# Altium PCB Matrix.PcbDoc (part 3 of 3)
Units mm, origin at the board's own origin, x right, y up, seen from the top; angles counter-clockwise.
Board outline 200.1 x 201 mm, 2 copper layers (Top Layer, Bottom Layer), stack 1.55 mm thick; 304 components, 213 nets, 909 pads, 444 vias.
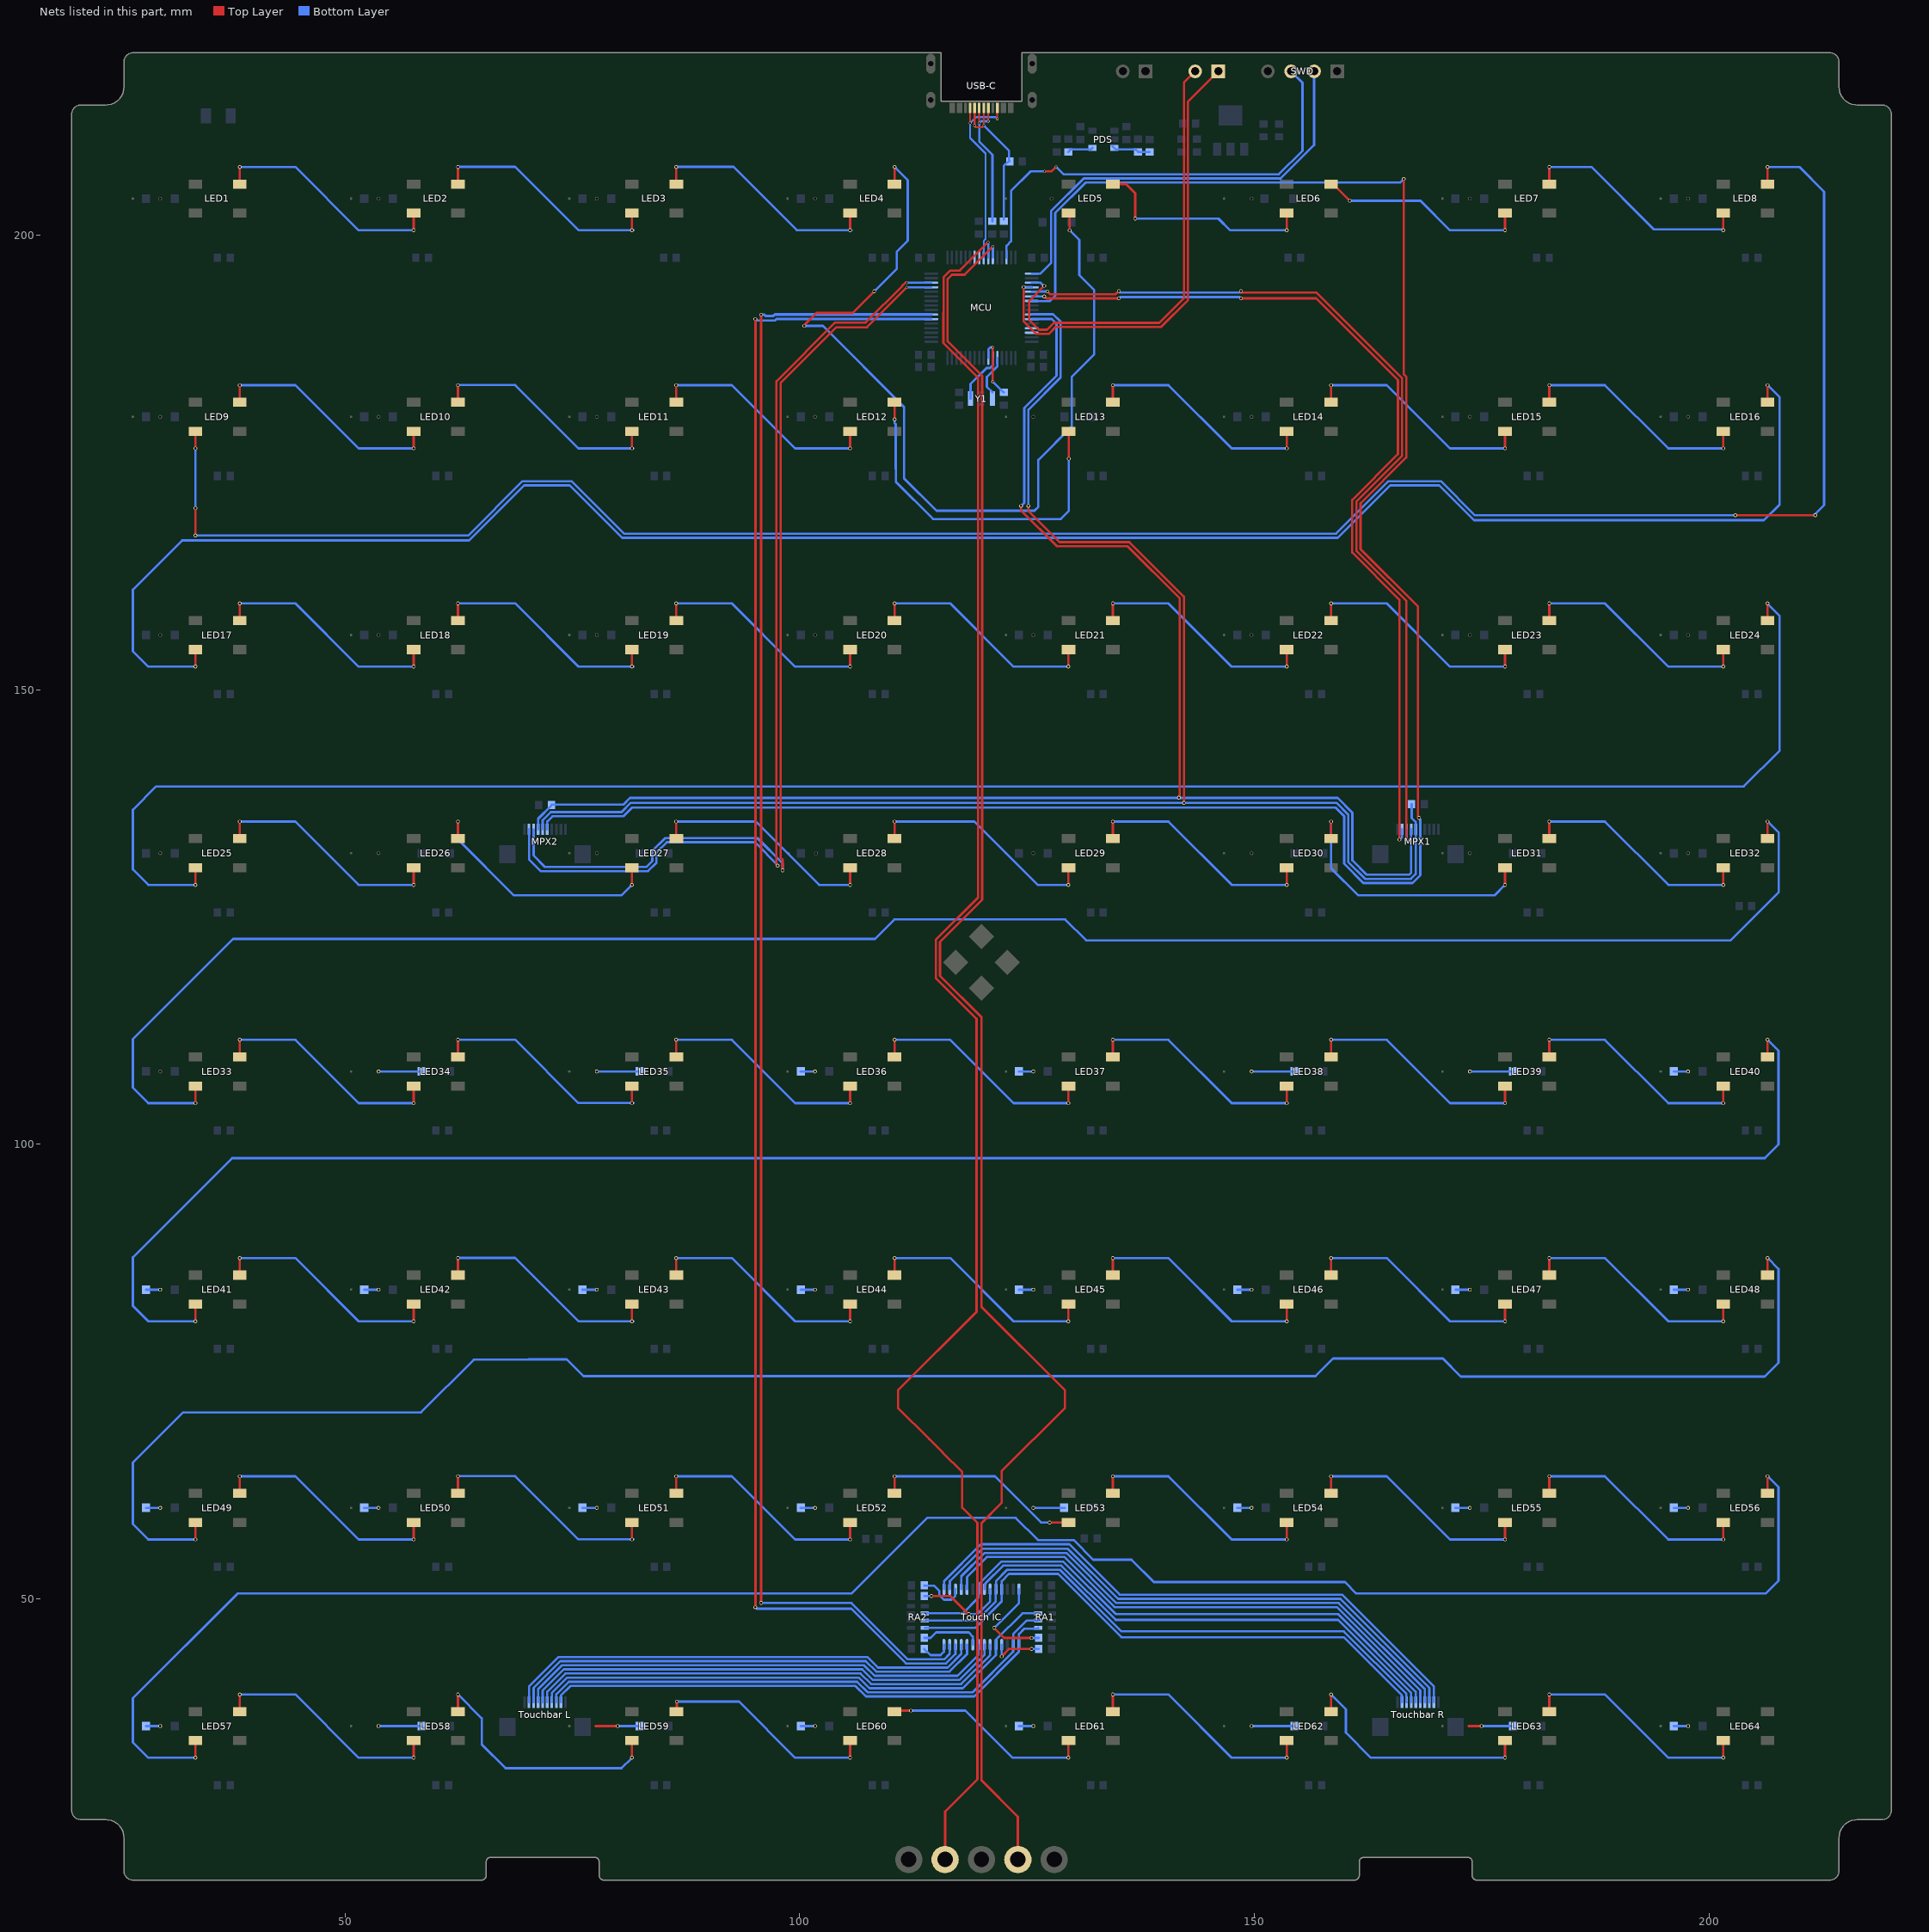
[diagram p3: the nets of this part, all layers, seen from the top]

## Via types
v1: diameter 0.406, hole 0.254, Top Layer to Bottom Layer, tented both sides, 188 vias
v2: diameter 0.61, hole 0.406, Top Layer to Bottom Layer, tented both sides, 150 vias
v3: diameter 0.711, hole 0.508, Top Layer to Bottom Layer, tented both sides, 65 vias
v4: diameter 0.305, hole 0.203, Top Layer to Bottom Layer, tented both sides, 28 vias
v5: diameter 0.7, hole 0.5, Top Layer to Bottom Layer, tented both sides, 8 vias
v6: diameter 8, hole 5.3, Top Layer to Bottom Layer, 4 vias
v7: diameter 1.1, hole 0.7, Top Layer to Bottom Layer, tented both sides, 1 vias

## Nets (pads, with @x,y where several pads share a name; then routed paths per layer and width w, separated by ;. In a path a pad name is that pad's centre, name@x,y a point inside that pad or via, vN(x,y) a via of type N, cw(c..) or ccw(c..) an arc to the next point about the centre after c; other vN are vias at no path point) (continued)
NetD34_1: D34.1 SW34.2 | length 4.7
  Bottom Layer w0.254: SW34.2@53.7,108 D34.1@58.426,108
NetD35_1: D35.1 SW35.2 | length 4.7
  Bottom Layer w0.254: SW35.2@77.7,108 D35.1@82.426,108
NetD36_1: D36.1 SW36.2 | length 1.6
  Bottom Layer w0.254: D36.1@100.125,108 SW36.2@101.7,108
NetD37_1: D37.1 SW37.2 | length 1.6
  Bottom Layer w0.254: D37.1@124.125,108 SW37.2@125.7,108
NetD38_1: D38.1 SW38.2 | length 4.7
  Bottom Layer w0.254: SW38.2@149.7,108 D38.1@154.425,108
NetD39_1: D39.1 SW39.2 | length 4.7
  Bottom Layer w0.254: SW39.2@173.7,108 D39.1@178.425,108
NetD40_1: D40.1 SW40.2 | length 1.6
  Bottom Layer w0.254: D40.1@196.126,108 SW40.2@197.7,108
NetD41_1: D41.1 SW41.2 | length 1.6
  Bottom Layer w0.254: D41.1@28.126,84 SW41.2@29.7,84
NetD42_1: D42.1 SW42.2 | length 1.6
  Bottom Layer w0.254: D42.1@52.126,84 SW42.2@53.7,84
NetD43_1: D43.1 SW43.2 | length 1.6
  Bottom Layer w0.254: D43.1@76.125,84 SW43.2@77.7,84
NetD44_1: D44.1 SW44.2 | length 1.6
  Bottom Layer w0.254: D44.1@100.125,84 SW44.2@101.7,84
NetD45_1: D45.1 SW45.2 | length 1.6
  Bottom Layer w0.254: D45.1@124.125,84 SW45.2@125.7,84
NetD46_1: D46.1 SW46.2 | length 1.6
  Bottom Layer w0.254: D46.1@148.126,84 SW46.2@149.7,84
NetD47_1: D47.1 SW47.2 | length 1.6
  Bottom Layer w0.254: D47.1@172.126,84 SW47.2@173.7,84
NetD48_1: D48.1 SW48.2 | length 1.6
  Bottom Layer w0.254: D48.1@196.126,84 SW48.2@197.7,84
NetD49_1: D49.1 SW49.2 | length 1.6
  Bottom Layer w0.254: D49.1@28.126,60 SW49.2@29.7,60
NetD50_1: D50.1 SW50.2 | length 1.6
  Bottom Layer w0.254: D50.1@52.126,60 SW50.2@53.7,60
NetD51_1: D51.1 SW51.2 | length 1.6
  Bottom Layer w0.254: D51.1@76.125,60 SW51.2@77.7,60
NetD52_1: D52.1 SW52.2 | length 1.6
  Bottom Layer w0.254: D52.1@100.125,60 SW52.2@101.7,60
NetD53_1: D53.1 SW53.2 | length 3.5
  Bottom Layer w0.254: SW53.2@125.7,60 D53.1@129.084,60 D53.1@129.184,60
NetD54_1: D54.1 SW54.2 | length 1.6
  Bottom Layer w0.254: D54.1@148.126,60 SW54.2@149.7,60
NetD55_1: D55.1 SW55.2 | length 1.6
  Bottom Layer w0.254: D55.1@172.126,60 SW55.2@173.7,60
NetD56_1: D56.1 SW56.2 | length 1.6
  Bottom Layer w0.254: D56.1@196.126,60 SW56.2@197.7,60
NetD57_1: D57.1 SW57.2 | length 1.6
  Bottom Layer w0.254: D57.1@28.126,36 SW57.2@29.7,36
NetD58_1: D58.1 SW58.2 | length 4.7
  Bottom Layer w0.254: SW58.2@53.7,36 D58.1@58.426,36
NetD59_1: D59.1 SW59.2 | length 4.9
  Top Layer w0.254: 77.56,36 SW59.2@80,36
  Bottom Layer w0.254: SW59.2@80,36 D59.1@82.426,36
NetD60_1: D60.1 SW60.2 | length 1.6
  Bottom Layer w0.254: D60.1@100.125,36 SW60.2@101.7,36
NetD61_1: D61.1 SW61.2 | length 1.6
  Bottom Layer w0.254: D61.1@124.125,36 SW61.2@125.7,36
NetD62_1: D62.1 SW62.2 | length 4.7
  Bottom Layer w0.254: SW62.2@149.7,36 D62.1@154.425,36
NetD63_1: D63.1 SW63.2 | length 4.8
  Top Layer w0.254: 173.584,36 SW63.2@175,36
  Bottom Layer w0.254: SW63.2@175,36 D63.1@178.425,36
NetD64_1: D64.1 SW64.2 | length 1.6
  Bottom Layer w0.254: D64.1@196.126,36 SW64.2@197.7,36
NetLED1_2: LED1.2 LED2.4 | length 25.8
  Top Layer w0.254: LED1.2@38.438,205.6 v1(38.438,207.48) ; v1(57.562,200.52) LED2.4@57.562,202.4
  Bottom Layer w0.254: v1(38.438,207.48) 44.559,207.48 51.519,200.52 v1(57.562,200.52)
NetLED2_2: LED2.2 LED3.4 | length 25.8
  Top Layer w0.254: LED2.2@62.438,205.6 v1(62.438,207.48) ; v1(81.562,200.52) LED3.4@81.562,202.4
  Bottom Layer w0.254: v1@62.601,207.493 68.721,207.493 75.682,200.532 v1@81.724,200.532
NetLED3_2: LED3.2 LED4.4 | length 25.8
  Top Layer w0.254: LED3.2@86.438,205.6 v1(86.438,207.48) ; v1(105.562,200.52) LED4.4@105.562,202.4
  Bottom Layer w0.254: v1@86.601,207.493 92.721,207.493 99.682,200.532 v1@105.724,200.532
NetLED4_2: LED4.2 LED5.4 | length 101.8
  Top Layer w0.254: v1@100.52,190.09 101.856,191.426 105.826,191.426 v1(108.2,193.8) ; LED4.2@110.438,205.6 v1(110.438,207.48) ; LED5.4@129.562,202.4 129.7,202.262 v1(129.7,200.5)
  Bottom Layer w0.254: v1(100.52,190) 102.57,190 111.489,181.081 111.489,173.237 115.056,169.67 125.816,169.67 126.25,170.104 126.25,175.25 129.916,178.916 129.916,184.394 132.376,186.854 132.376,193.962 130.754,195.584 130.754,199.445 v1(129.7,200.5) ; v1(108.2,193.8) 108.221,193.8 110.681,196.26 110.681,198.151 111.894,199.364 111.894,206.025 v1(110.438,207.48)
NetLED5_2: LED5.2 LED6.4 | length 24.7
  Top Layer w0.254: LED5.2@134.438,205.6 135.888,205.6 136.9,204.589 v1(136.9,201.8) ; v1(153.562,200.52) LED6.4@153.562,202.4
  Bottom Layer w0.254: v1(136.9,201.8) 146.054,201.8 147.333,200.52 v1(153.562,200.52)
NetLED6_2: LED6.2 LED7.4 | length 23.1
  Top Layer w0.254: LED6.2@158.438,205.6 158.658,205.6 v1(160.498,203.76) ; v1(177.562,200.52) LED7.4@177.562,202.4
  Bottom Layer w0.254: v1(160.498,203.76) 168.279,203.76 171.519,200.52 v1(177.562,200.52)
NetLED7_2: LED7.2 LED8.4 | length 25.8
  Top Layer w0.254: LED7.2@182.438,205.6 v1(182.438,207.48) ; v1(201.562,200.52) LED8.4@201.562,202.4
  Bottom Layer w0.254: v1(182.438,207.48) 187.055,207.48 193.904,200.632 201.45,200.632 v1(201.562,200.52)
NetLED8_2: LED8.2 LED9.4 | length 243.7
  Top Layer w0.254: v1(33.562,166.938) v1(33.562,169.962) ; v1(33.562,176.52) LED9.4@33.562,178.4 ; v1(202.895,169.16) v1(211.695,169.16) ; LED8.2@206.438,205.6 v1(206.438,207.48)
  Bottom Layer w0.254: v1(33.562,166.938) 63.552,166.938 69.532,172.919 74.923,172.919 80.696,167.146 158.983,167.146 164.756,172.919 170.518,172.919 174.277,169.16 v1(202.895,169.16) ; v1(33.562,169.962) v1(33.562,176.52) ; v1(206.438,207.48) 209.932,207.48 212.65,204.763 212.65,170.299 211.603,169.252 v1(211.695,169.16)
NetLED9_2: LED9.2 LED10.4 | length 25.8
  Top Layer w0.254: LED9.2@38.438,181.6 v1(38.438,183.48) ; v1(57.562,176.52) LED10.4@57.562,178.4
  Bottom Layer w0.254: v1(38.438,183.48) 44.559,183.48 51.519,176.52 v1(57.562,176.52)
NetLED10_2: LED10.2 LED11.4 | length 25.8
  Top Layer w0.254: LED10.2@62.438,181.6 v1(62.438,183.48) ; v1(81.562,176.52) LED11.4@81.562,178.4
  Bottom Layer w0.254: v1@62.601,183.493 68.721,183.493 75.682,176.532 v1@81.724,176.532
NetLED11_2: LED11.2 LED12.4 | length 25.8
  Top Layer w0.254: LED11.2@86.438,181.6 v1(86.438,183.48) ; v1(105.562,176.52) LED12.4@105.562,178.4
  Bottom Layer w0.254: v1(86.438,183.48) 92.559,183.48 99.519,176.52 v1(105.562,176.52)
NetLED12_2: LED12.2 LED13.4 | length 38.6
  Top Layer w0.254: v1(110.438,179.72) LED12.2@110.438,181.6 ; LED13.4@129.562,178.4 129.59,178.371 v1(129.59,175.4)
  Bottom Layer w0.254: v1(110.438,179.72) 110.438,179.332 110.576,179.194 110.576,174.284 110.581,174.279 110.581,172.861 114.68,168.762 128.719,168.762 129.59,169.633 v1(129.59,175.4)
NetLED13_2: LED13.2 LED14.4 | length 25.8
  Top Layer w0.254: LED13.2@134.438,181.6 v1(134.438,183.48) ; v1(153.562,176.52) LED14.4@153.562,178.4
  Bottom Layer w0.254: v1(134.438,183.48) 140.559,183.48 147.519,176.52 v1(153.562,176.52)
NetLED14_2: LED14.2 LED15.4 | length 25.8
  Top Layer w0.254: LED14.2@158.438,181.6 v1(158.438,183.48) ; v1(177.562,176.52) LED15.4@177.562,178.4
  Bottom Layer w0.254: v1(158.438,183.48) 164.559,183.48 171.519,176.52 v1(177.562,176.52)
NetLED15_2: LED15.2 LED16.4 | length 25.8
  Top Layer w0.254: LED15.2@182.438,181.6 v1(182.438,183.48) ; v1(201.562,176.52) LED16.4@201.562,178.4
  Bottom Layer w0.254: v1(182.438,183.48) 188.559,183.48 195.519,176.52 v1(201.562,176.52)
NetLED16_2: LED16.2 LED17.4 | length 224.7
  Top Layer w0.254: v1(33.562,152.52) LED17.4@33.562,154.4 ; LED16.2@206.438,181.6 v1(206.438,183.48)
  Bottom Layer w0.254: v1(33.562,152.52) 28.38,152.52 26.681,154.219 26.681,160.981 32.108,166.408 63.664,166.408 69.72,172.465 74.735,172.465 80.508,166.692 159.171,166.692 164.944,172.465 170.33,172.465 174.165,168.63 206.042,168.63 207.767,170.356 207.767,182.152 v1(206.438,183.48)
NetLED17_2: LED17.2 LED18.4 | length 25.8
  Top Layer w0.254: LED17.2@38.438,157.6 v1(38.438,159.48) ; v1(57.562,152.52) LED18.4@57.562,154.4
  Bottom Layer w0.254: v1(38.438,159.48) 44.559,159.48 51.519,152.52 v1(57.562,152.52)
NetLED18_2: LED18.2 LED19.4 | length 25.8
  Top Layer w0.254: LED18.2@62.438,157.6 v1(62.438,159.48) ; v1(81.562,152.52) LED19.4@81.562,154.4
  Bottom Layer w0.254: v1@62.601,159.493 68.721,159.493 75.682,152.532 v1@81.724,152.532
NetLED19_2: LED19.2 LED20.4 | length 25.8
  Top Layer w0.254: LED19.2@86.438,157.6 v1(86.438,159.48) ; v1(105.562,152.52) LED20.4@105.562,154.4
  Bottom Layer w0.254: v1(86.438,159.48) 92.559,159.48 99.519,152.52 v1(105.562,152.52)
NetLED20_2: LED20.2 LED21.4 | length 25.8
  Top Layer w0.254: LED20.2@110.438,157.6 v1(110.438,159.48) ; v1(129.562,152.52) LED21.4@129.562,154.4
  Bottom Layer w0.254: v1(110.438,159.48) 116.559,159.48 123.519,152.52 v1(129.562,152.52)
NetLED21_2: LED21.2 LED22.4 | length 25.8
  Top Layer w0.254: LED21.2@134.438,157.6 v1(134.438,159.48) ; v1(153.562,152.52) LED22.4@153.562,154.4
  Bottom Layer w0.254: v1(134.438,159.48) 140.559,159.48 147.519,152.52 v1(153.562,152.52)
NetLED22_2: LED22.2 LED23.4 | length 25.8
  Top Layer w0.254: LED22.2@158.438,157.6 v1(158.438,159.48) ; v1(177.562,152.52) LED23.4@177.562,154.4
  Bottom Layer w0.254: v1(158.438,159.48) 164.559,159.48 171.519,152.52 v1(177.562,152.52)
NetLED23_2: LED23.2 LED24.4 | length 25.8
  Top Layer w0.254: LED23.2@182.438,157.6 v1(182.438,159.48) ; v1(201.562,152.52) LED24.4@201.562,154.4
  Bottom Layer w0.254: v1(182.438,159.48) 188.559,159.48 195.519,152.52 v1(201.562,152.52)
NetLED24_2: LED24.2 LED25.4 | length 218.4
  Top Layer w0.254: v1(33.562,128.52) LED25.4@33.562,130.4 ; LED24.2@206.438,157.6 v1(206.438,159.48)
  Bottom Layer w0.254: v1(33.562,128.52) 28.38,128.52 26.681,130.219 26.681,136.78 29.253,139.352 203.819,139.352 207.767,143.3 207.767,158.079 206.438,159.408 v1(206.438,159.48)
NetLED25_2: LED25.2 LED26.4 | length 25.8
  Top Layer w0.254: LED25.2@38.438,133.6 v1(38.438,135.48) ; v1(57.562,128.52) LED26.4@57.562,130.4
  Bottom Layer w0.254: v1(38.438,135.48) 44.559,135.48 51.519,128.52 v1(57.562,128.52)
NetLED26_2: LED26.2 LED27.4 | length 27.9
  Top Layer w0.254: LED26.2@62.438,133.6 v1(62.438,135.48) ; v1(81.562,128.52) LED27.4@81.562,130.4
  Bottom Layer w0.254: v1(62.438,135.48) 62.438,133.524 68.594,127.368 80.41,127.368 v1(81.562,128.52)
NetLED27_2: LED27.2 LED28.4 | length 25.8
  Top Layer w0.254: LED27.2@86.438,133.6 v1(86.438,135.48) ; v1(105.562,128.52) LED28.4@105.562,130.4
  Bottom Layer w0.254: v1(86.438,135.48) 95.19,135.48 102.15,128.52 v1(105.562,128.52)
NetLED28_2: LED28.2 LED29.4 | length 25.8
  Top Layer w0.254: LED28.2@110.438,133.6 v1(110.438,135.48) ; v1(129.562,128.52) LED29.4@129.562,130.4
  Bottom Layer w0.254: v1(110.438,135.48) 119.22,135.48 126.18,128.52 v1(129.562,128.52)
NetLED29_2: LED29.2 LED30.4 | length 25.8
  Top Layer w0.254: LED29.2@134.438,133.6 v1(134.438,135.48) ; v1(153.562,128.52) LED30.4@153.562,130.4
  Bottom Layer w0.254: v1(134.438,135.48) 140.559,135.48 147.519,128.52 v1(153.562,128.52)
NetLED30_2: LED30.2 LED31.4 | length 29.7
  Top Layer w0.254: LED30.2@158.438,133.6 v1(158.438,135.48) ; v1(177.562,128.52) LED31.4@177.562,130.4
  Bottom Layer w0.254: v1(158.438,135.48) 158.438,130.354 161.424,127.368 176.41,127.368 v1(177.562,128.52)
NetLED31_2: LED31.2 LED32.4 | length 25.8
  Top Layer w0.254: LED31.2@182.438,133.6 v1(182.438,135.48) ; v1(201.562,128.52) LED32.4@201.562,130.4
  Bottom Layer w0.254: v1(182.438,135.48) 188.559,135.48 195.519,128.52 v1(201.562,128.52)
NetLED32_2: LED32.2 LED33.4 | length 214.5
  Top Layer w0.254: v1(33.562,104.52) LED33.4@33.562,106.4 ; LED32.2@206.438,133.6 v1(206.438,135.48)
  Bottom Layer w0.254: v1(33.562,104.52) 28.38,104.52 26.681,106.219 26.681,111.559 37.704,122.582 108.292,122.582 110.432,124.722 129.21,124.722 131.509,122.423 202.375,122.423 207.674,127.721 207.674,134.245 v1(206.438,135.48)
NetLED33_2: LED33.2 LED34.4 | length 25.8
  Top Layer w0.254: LED33.2@38.438,109.6 v1(38.438,111.48) ; v1(57.562,104.52) LED34.4@57.562,106.4
  Bottom Layer w0.254: v1(38.438,111.48) 44.559,111.48 51.519,104.52 v1(57.562,104.52)
NetLED34_2: LED34.2 LED35.4 | length 25.8
  Top Layer w0.254: LED34.2@62.438,109.6 v1(62.438,111.48) ; v1(81.562,104.52) LED35.4@81.562,106.4
  Bottom Layer w0.254: v1@62.601,111.493 68.721,111.493 75.682,104.532 v1@81.724,104.532
NetLED35_2: LED35.2 LED36.4 | length 25.8
  Top Layer w0.254: LED35.2@86.438,109.6 v1(86.438,111.48) ; v1(105.562,104.52) LED36.4@105.562,106.4
  Bottom Layer w0.254: v1(86.438,111.48) 92.559,111.48 99.519,104.52 v1(105.562,104.52)
NetLED36_2: LED36.2 LED37.4 | length 25.8
  Top Layer w0.254: LED36.2@110.438,109.6 v1(110.438,111.48) ; v1(129.562,104.52) LED37.4@129.562,106.4
  Bottom Layer w0.254: v1(110.438,111.48) 116.559,111.48 123.519,104.52 v1(129.562,104.52)
NetLED37_2: LED37.2 LED38.4 | length 25.8
  Top Layer w0.254: LED37.2@134.438,109.6 v1(134.438,111.48) ; v1(153.562,104.52) LED38.4@153.562,106.4
  Bottom Layer w0.254: v1(134.438,111.48) 140.559,111.48 147.519,104.52 v1(153.562,104.52)
NetLED38_2: LED38.2 LED39.4 | length 25.8
  Top Layer w0.254: LED38.2@158.438,109.6 v1(158.438,111.48) ; v1(177.562,104.52) LED39.4@177.562,106.4
  Bottom Layer w0.254: v1(158.438,111.48) 164.559,111.48 171.519,104.52 v1(177.562,104.52)
NetLED39_2: LED39.2 LED40.4 | length 25.8
  Top Layer w0.254: LED39.2@182.438,109.6 v1(182.438,111.48) ; v1(201.562,104.52) LED40.4@201.562,106.4
  Bottom Layer w0.254: v1(182.438,111.48) 188.559,111.48 195.519,104.52 v1(201.562,104.52)
NetLED40_2: LED40.2 LED41.4 | length 214.8
  Top Layer w0.254: v1(33.562,80.52) LED41.4@33.562,82.4 ; LED40.2@206.438,109.6 v1(206.438,111.48)
  Bottom Layer w0.254: v1(33.562,80.52) 28.38,80.52 26.681,82.219 26.681,87.559 37.592,98.47 206.14,98.47 207.644,99.974 207.644,110.274 v1(206.438,111.48)
NetLED41_2: LED41.2 LED42.4 | length 25.8
  Top Layer w0.254: LED41.2@38.438,85.6 v1(38.438,87.48) ; v1(57.562,80.52) LED42.4@57.562,82.4
  Bottom Layer w0.254: v1(38.438,87.48) 44.559,87.48 51.519,80.52 v1(57.562,80.52)
NetLED42_2: LED42.2 LED43.4 | length 25.8
  Top Layer w0.254: LED42.2@62.438,85.6 v1(62.438,87.48) ; v1(81.562,80.52) LED43.4@81.562,82.4
  Bottom Layer w0.254: v1@62.601,87.493 68.721,87.493 75.682,80.532 v1@81.724,80.532
NetLED43_2: LED43.2 LED44.4 | length 25.8
  Top Layer w0.254: LED43.2@86.438,85.6 v1(86.438,87.48) ; v1(105.562,80.52) LED44.4@105.562,82.4
  Bottom Layer w0.254: v1(86.438,87.48) 92.559,87.48 99.519,80.52 v1(105.562,80.52)
NetLED44_2: LED44.2 LED45.4 | length 25.8
  Top Layer w0.254: LED44.2@110.438,85.6 v1(110.438,87.48) ; v1(129.562,80.52) LED45.4@129.562,82.4
  Bottom Layer w0.254: v1(110.438,87.48) 116.559,87.48 123.519,80.52 v1(129.562,80.52)
NetLED45_2: LED45.2 LED46.4 | length 25.8
  Top Layer w0.254: LED45.2@134.438,85.6 v1(134.438,87.48) ; v1(153.562,80.52) LED46.4@153.562,82.4
  Bottom Layer w0.254: v1(134.438,87.48) 140.559,87.48 147.519,80.52 v1(153.562,80.52)
NetLED46_2: LED46.2 LED47.4 | length 25.8
  Top Layer w0.254: LED46.2@158.438,85.6 v1(158.438,87.48) ; v1(177.562,80.52) LED47.4@177.562,82.4
  Bottom Layer w0.254: v1(158.438,87.48) 164.559,87.48 171.519,80.52 v1(177.562,80.52)
NetLED47_2: LED47.2 LED48.4 | length 25.8
  Top Layer w0.254: LED47.2@182.438,85.6 v1(182.438,87.48) ; v1(201.562,80.52) LED48.4@201.562,82.4
  Bottom Layer w0.254: v1(182.438,87.48) 188.559,87.48 195.519,80.52 v1(201.562,80.52)
NetLED48_2: LED48.2 LED49.4 | length 218.8
  Top Layer w0.254: v1(33.562,56.52) LED49.4@33.562,58.4 ; LED48.2@206.438,85.6 v1(206.438,87.48)
  Bottom Layer w0.254: v1(33.562,56.52) 28.38,56.52 26.681,58.219 26.681,64.981 32.207,70.507 58.38,70.507 64.178,76.305 70.186,76.305 70.208,76.327 74.399,76.327 76.24,74.486 156.728,74.486 158.676,76.434 170.735,76.434 172.719,74.45 206.12,74.45 207.644,75.974 207.644,86.274 v1(206.438,87.48)
NetLED49_2: LED49.2 LED50.4 | length 25.8
  Top Layer w0.254: LED49.2@38.438,61.6 v1(38.438,63.48) ; v1(57.562,56.52) LED50.4@57.562,58.4
  Bottom Layer w0.254: v1(38.438,63.48) 44.559,63.48 51.519,56.52 v1(57.562,56.52)
NetLED50_2: LED50.2 LED51.4 | length 25.8
  Top Layer w0.254: LED50.2@62.438,61.6 v1(62.438,63.48) ; v1(81.562,56.52) LED51.4@81.562,58.4
  Bottom Layer w0.254: v1@62.601,63.493 68.721,63.493 75.682,56.532 v1@81.724,56.532
NetLED51_2: LED51.2 LED52.4 | length 25.8
  Top Layer w0.254: LED51.2@86.438,61.6 v1(86.438,63.48) ; v1(105.562,56.52) LED52.4@105.562,58.4
  Bottom Layer w0.254: v1(86.438,63.48) 92.559,63.48 99.519,56.52 v1(105.562,56.52)
NetLED52_2: LED52.2 LED53.4 | length 23.1
  Top Layer w0.254: LED52.2@110.438,61.6 v1(110.438,63.48) ; v1(127.5,58.4) LED53.4@129.562,58.4
  Bottom Layer w0.254: v1(110.438,63.48) 121.47,63.48 126.55,58.4 v1(127.5,58.4)
NetLED53_2: LED53.2 LED54.4 | length 25.8
  Top Layer w0.254: LED53.2@134.438,61.6 v1(134.438,63.48) ; v1(153.562,56.52) LED54.4@153.562,58.4
  Bottom Layer w0.254: v1(134.438,63.48) 140.559,63.48 147.519,56.52 v1(153.562,56.52)
NetLED54_2: LED54.2 LED55.4 | length 25.8
  Top Layer w0.254: LED54.2@158.438,61.6 v1(158.438,63.48) ; v1(177.562,56.52) LED55.4@177.562,58.4
  Bottom Layer w0.254: v1(158.438,63.48) 164.559,63.48 171.519,56.52 v1(177.562,56.52)
NetLED55_2: LED55.2 LED56.4 | length 25.8
  Top Layer w0.254: LED55.2@182.438,61.6 v1(182.438,63.48) ; v1(201.562,56.52) LED56.4@201.562,58.4
  Bottom Layer w0.254: v1(182.438,63.48) 188.559,63.48 195.519,56.52 v1(201.562,56.52)
NetLED56_2: LED56.2 LED57.4 | length 221.4
  Top Layer w0.254: v1(33.562,32.52) LED57.4@33.562,34.4 ; LED56.2@206.438,61.6 v1(206.438,63.48)
  Bottom Layer w0.254: v1(33.562,32.52) 28.38,32.52 26.681,34.219 26.681,39.064 38.199,50.582 105.716,50.582 114.029,58.895 123.769,58.895 126.211,56.454 130.134,56.454 132.288,54.3 136.5,54.3 138.96,51.84 139.6,51.84 159.97,51.84 161.227,50.582 206.238,50.582 207.644,51.989 207.644,62.274 v1(206.438,63.48)
NetLED57_2: LED57.2 LED58.4 | length 25.8
  Top Layer w0.254: LED57.2@38.438,37.6 v1(38.438,39.48) ; v1(57.562,32.52) LED58.4@57.562,34.4
  Bottom Layer w0.254: v1(38.438,39.48) 44.559,39.48 51.519,32.52 v1(57.562,32.52)
NetLED58_2: LED58.2 LED59.4 | length 28.4
  Top Layer w0.254: LED58.2@62.438,37.6 v1(62.438,39.48) ; v1(81.562,32.52) LED59.4@81.562,34.4
  Bottom Layer w0.254: v1(62.438,39.48) 65.05,36.869 65.05,36 65.05,33.99 67.672,31.368 75.843,31.368 80.41,31.368 v1(81.562,32.52)
NetLED59_2: LED59.2 LED60.4 | length 24.6
  Top Layer w0.254: LED59.2@86.438,37.6 86.5,37.662 v1(86.5,38.7) ; v1(105.562,32.52) LED60.4@105.562,34.4
  Bottom Layer w0.254: v1(86.5,38.7) 93.339,38.7 99.519,32.52 v1(105.562,32.52)
NetLED60_2: LED60.2 LED61.4 | length 23.2
  Top Layer w0.254: LED60.2@110.438,37.6 110.538,37.7 v1(112.25,37.7) ; v1(129.562,32.52) LED61.4@129.562,34.4
  Bottom Layer w0.254: v1(112.25,37.7) 118.229,37.7 123.41,32.52 v1(129.562,32.52)
NetLED61_2: LED61.2 LED62.4 | length 25.8
  Top Layer w0.254: LED61.2@134.438,37.6 v1(134.438,39.48) ; v1(153.562,32.52) LED62.4@153.562,34.4
  Bottom Layer w0.254: v1(134.438,39.48) 140.559,39.48 147.519,32.52 v1(153.562,32.52)
NetLED62_2: LED62.2 LED63.4 | length 27.3
  Top Layer w0.254: LED62.2@158.438,37.6 v1(158.438,39.48) ; v1(177.562,32.52) LED63.4@177.562,34.4
  Bottom Layer w0.254: v1(158.438,39.48) 160.069,37.849 160.069,35.271 162.82,32.52 v1(177.562,32.52)
NetLED63_2: LED63.2 LED64.4 | length 25.8
  Top Layer w0.254: LED63.2@182.438,37.6 v1(182.438,39.48) ; v1(201.562,32.52) LED64.4@201.562,34.4
  Bottom Layer w0.254: v1(182.438,39.48) 188.559,39.48 195.519,32.52 v1(201.562,32.52)
OSCIN: MCU.5 Y1.1 | length 4.5
  Bottom Layer w0.254: Y1.1@121.2,182.7 120.6,183.3 120.6,184.388 121.75,185.538 MCU.5@121.75,186.475
OSCOUT: MCU.6 Y1.3 | length 5.7
  Bottom Layer w0.254: Y1.3@118.8,182 118.8,183.602 120.568,185.37 120.94,185.37 121.25,185.68 MCU.6@121.25,186.475
PB8: MCU.61
PB9: MCU.62
PC8: MCU.39
PC9: MCU.40
PDSEN: PDS.4 R3.2 | length 2.8
  Bottom Layer w0.254: R3.2@129.56,209.14 R3.2@129.75,209.33 ; R3.2@129.75,209.4 132.02,209.4 PDS.4@132.19,209.57
PowerCord: MCU.41 USB-C.A8 USB-C.B8 | length 21.8
  Top Layer w0.203: v4(118.75,212.3) USB-C.A8@118.75,213.975 USB-C.A8@118.75,214.075 ; v4(121.72,212.78) 121.72,213.845 USB-C.B8@121.75,213.875
  Bottom Layer w0.203: MCU.41@120.25,197.525 120.25,199.352 120.448,199.55 120.448,208.969 118.75,210.667 v4(118.75,212.3) 119.414,212.964 121.508,212.964 121.692,212.78 v4(121.72,212.78)
PSDISET: pad.6@138.5,209.14 PDS.3 R2.2 | length 4.4
  Bottom Layer w0.254: PDS.3@134.392,209.768 PDS.3@134.59,209.57 134.76,209.4 136.96,209.4 R2.2@137.22,209.14 pad.6@138.5,209.14
RESET: C10.1@122.45,182.7 MCU.7 | length 7
  Top Layer w0.254: v4(121.24,183.86) v4(121.24,187.65)
  Bottom Layer w0.254: MCU.7@120.75,186.475 120.752,186.477 120.752,187.407 120.986,187.641 v4@121.24,187.641 ; v4(121.24,183.86) 122.4,182.7 C10.1@122.45,182.7
RX1: MCU.43 pad.2@124,21.32 | length 195.9
  Top Layer w0.25: 120.074,128.103 120.074,177.107 120.071,177.11 120.071,184.507 116.276,188.303 116.276,195.167 116.739,195.63 118.152,195.63 v4(121.25,198.728)
  Top Layer w0.254: 120.076,128.103 120.076,126.896 115.43,122.25 115.43,118.53 120,113.96 120,82.095 129.176,72.919 129.176,70.992 122.211,64.027 122.211,60.55 120,58.339 120,30.04 124,26.04 pad.2@124,21.6
  Bottom Layer w0.25: MCU.43@121.25,197.525 v4(121.25,198.728)
RX3: MCU.30 MPX2.9 | length 109.2
  Top Layer w0.254: v1(97.6,130.63) 97.454,130.776 97.454,131.066 97.454,183.912 103.902,190.36 107.268,190.36 111.311,194.403 111.311,194.439 111.622,194.75 v4(111.79,194.75)
  Bottom Layer w0.254: MPX2.9@70.25,134.625 70.25,131.318 71.532,130.036 83.338,130.036 84.254,130.952 84.254,132.066 85.398,133.21 95.1,133.21 v1@97.68,130.63 ; v4(111.79,194.75) MCU.30@114.475,194.75
RX4: MCU.52 UART.1 | length 51.4
  Top Layer w0.254: v1(124.628,194.25) 124.628,190.524 126.036,189.116 127.408,189.116 128.174,189.882 139.736,189.882 142.711,192.857 142.711,214.671 UART.1@146.04,218
  Bottom Layer w0.254: v1(124.628,194.25) MCU.52@125.525,194.25
RX5: MCU.54 MPX1.9 | length 100.2
  Top Layer w0.254: v1(126.9,193.25) 127.13,193.02 v1(135.11,193.02) ; v1(148.53,193.02) 156.814,193.02 165.803,184.031 165.803,175.893 160.77,170.86 160.77,165.064 165.957,159.877 v1(165.957,133.507)
  Bottom Layer w0.254: MCU.54@125.525,193.25 v1(126.9,193.25) ; v1(135.11,193.02) 135.267,193.177 148.372,193.177 v1(148.53,193.02) ; v1(165.957,133.507) 166.25,133.8 MPX1.9@166.25,134.625
SCK: MCU.55 MPX1.5 MPX2.5 | length 237.7
  Top Layer w0.254: v1(166.439,206.164) 166.439,184.679 166.711,184.407 166.711,175.517 161.678,170.484 161.678,165.441 168.008,159.111 v1@168.008,135.9
  Bottom Layer w0.254: MPX2.5@72.25,134.625 72.25,135.504 72.815,136.069 80.615,136.069 81.566,137.02 130.199,137.02 144.566,137.02 ; MCU.55@125.525,192.75 125.555,192.72 127.496,192.72 128.106,193.33 128.106,202.428 131.443,205.765 166.04,205.765 v1(166.439,206.164) ; 144.566,137.02 158.933,137.02 159.877,136.076 159.877,130.842 161.988,128.73 167.408,128.73 168.25,129.572 MPX1.5@168.25,134.625 168.25,135.712 168.103,135.859 v1(168.103,135.9)
SCL: MCU.58 MPX1.6 MPX2.6 MR1.2 | length 181.9
  Top Layer w0.254: v1(125.16,170.2) 125.16,169.64 128.577,166.223 136.253,166.223 142.257,160.219 142.257,138.457 ; v1(142.257,137.55) 142.257,138.457
  Bottom Layer w0.254: MPX2.6@71.75,134.625 71.75,135.647 72.626,136.523 80.427,136.523 81.454,137.55 159.045,137.55 160.331,136.264 160.331,131.03 162.177,129.184 167.22,129.184 167.75,129.714 MPX1.6@167.75,134.625 167.75,135.429 167.3,135.879 MR1.2@167.3,137.4 ; v1(125.16,170.2) 125.16,180.781 128.7,184.321 128.7,190.463 127.879,191.284 125.559,191.284 MCU.58@125.525,191.25
SDA: MCU.59 MPX1.7 MPX2.7 MR2.2 | length 178.1
  Top Layer w0.254: v1(124.36,170.2) 124.36,169.69 128.281,165.769 136.065,165.769 141.803,160.031 141.803,138.645 ; v1(141.707,138.1) 141.707,138.292 141.803,138.388 141.803,138.645
  Bottom Layer w0.254: MPX2.7@71.25,134.625 71.25,135.79 72.71,137.25 MR2.2@72.71,137.3 72.71,137.35 80.612,137.35 81.342,138.08 159.156,138.08 160.785,136.452 160.785,131.218 162.365,129.638 167.032,129.638 167.25,129.856 167.25,133.28 167.257,133.287 167.257,133.727 167.25,133.734 MPX1.7@167.25,134.625 MPX1.7@167.273,134.648 ; v1(124.36,170.2) 124.706,170.546 124.706,180.969 128.246,184.509 128.246,190.233 127.729,190.75 MCU.59@125.525,190.75
SLPSENA: "Touch IC.28" C3.2@126.3,45.7 | length 10.7
  Top Layer w0.254: v1(121.4,46.8) 122.5,45.7 v1(125.514,45.7)
  Bottom Layer w0.254: v1(121.4,46.8) 124.127,49.528 124.127,51.05 ; v1(125.514,45.7) C3.2@126.3,45.7
SLPSENB: "Touch IC.14" C8.2@113.7,44.5 | length 3.4
  Bottom Layer w0.254: C8.2@113.7,44.5 113.7,44.45 113.973,44.177 114.023,44.177 114.4,43.8 115.5,43.8 115.872,44.172 115.872,44.95
SNEADJ0: "Touch IC.4" C4.2@126.3,44.5 | length 5.7
  Top Layer w0.254: v1(122.222,43.662) 123.06,44.5 v1(125.514,44.5)
  Bottom Layer w0.254: v1(122.222,43.662) 122.222,44.95 ; v1(125.514,44.5) C4.2@126.3,44.5
SNEADJ1: "Touch IC.23" C6.2@113.7,50.3 | length 10
  Top Layer w0.254: v1(114.486,50.3) 116.596,50.3 118.578,48.318 v1(118.6,48.318)
  Bottom Layer w0.254: C6.2@113.7,50.3 v1(114.486,50.3) ; v1(118.6,48.318) 119.543,48.318 120.952,49.727 120.952,51.05 120.967,51.065
SNEADJ2: "Touch IC.17" C5.2@113.7,51.5 | length 5.3
  Bottom Layer w0.254: C5.2@113.7,51.5 113.7,51.45 114.76,51.45 115.381,50.83 115.381,50.376 115.857,49.9 116.7,49.9 117.128,50.328 117.128,51.035 117.142,51.05
SNEADJ3: "Touch IC.9" C7.2@113.7,45.7 | length 6.7
  Bottom Layer w0.254: C7.2@113.7,45.7 114.4,45.7 115.011,46.311 118.589,46.311 119.047,45.853 119.047,44.95
SWCLK: MCU.49 SWD.2 | length 48.4
  Bottom Layer w0.254: MCU.49@125.525,195.75 126.487,195.75 127.652,196.915 127.652,202.616 131.255,206.219 152.904,206.219 156.58,209.895 SWD.2@156.58,218
SWIO: MCU.46 SWD.3 | length 51.4
  Top Layer w0.254: v4(126.935,206.995) 127.695,206.995 v4(128.2,207.5)
  Bottom Layer w0.254: MCU.46@122.75,197.525 122.75,198.81 123.26,199.32 123.26,204.862 125.393,206.995 v4(126.935,206.995) ; v4(128.2,207.5) 129.027,206.673 152.716,206.673 155.3,209.257 155.3,216.74 SWD.3@154.04,218
Touch0: "Touch IC.6" "Touchbar L.5" | length 53.6
  Bottom Layer w0.254: 72.25,38.625 72.25,39.789 74.245,41.784 106.706,41.784 107.868,40.622 117.76,40.622 120.952,43.814 120.952,44.95
Touch1: "Touch IC.5" "Touchbar L.4" RA1.2 | length 60.1
  Bottom Layer w0.254: 72.75,38.625 72.75,39.647 74.433,41.33 106.518,41.33 107.68,40.168 117.948,40.168 121.587,43.807 121.587,44.95 121.602,44.965 121.602,45.495 124.507,48.4 RA1.2@126.25,48.4
Touch2: "Touch IC.2" "Touchbar L.3" RA1.3 | length 59.3
  Bottom Layer w0.254: 73.25,38.625 73.25,39.505 74.622,40.876 106.33,40.876 107.492,39.714 119.024,39.714 123.478,44.168 123.478,44.935 123.492,44.95 123.492,46.135 124.958,47.6 RA1.3@126.25,47.6
Touch3: "Touch IC.1" "Touchbar L.2" RA1.4 | length 58.4
  Bottom Layer w0.254: 73.75,38.625 73.75,39.362 74.81,40.422 106.142,40.422 107.304,39.26 119.212,39.26 124.113,44.161 124.113,45.285 124.127,45.3 124.127,46.127 124.712,46.712 126.162,46.712 RA1.4@126.25,46.8
Touch4: "Touch IC.25" "Touchbar R.9" RA2.1 | length 62.5
  Bottom Layer w0.254: RA2.1@113.75,46.8 119.31,46.8 122.222,49.713 122.222,51.05 122.237,51.065 122.237,51.947 123.021,52.731 128.423,52.731 135.377,45.778 159.835,45.778 166.227,39.385 166.227,38.648 166.25,38.625
Touch5: "Touch IC.24" "Touchbar R.8" RA2.2 | length 63.2
  Bottom Layer w0.254: RA2.2@113.75,47.6 119.468,47.6 121.573,49.705 121.573,51.035 121.602,51.065 121.602,51.955 122.84,53.192 128.605,53.192 135.384,46.413 159.842,46.413 166.727,39.528 166.727,38.648 166.75,38.625
Touch6: "Touch IC.22" "Touchbar R.7" | length 55.1
  Bottom Layer w0.254: 120.317,51.05 120.317,51.541 120.461,51.684 120.461,51.724 122.383,53.646 128.793,53.646 134.756,47.683 159.214,47.683 167.25,39.647 167.25,38.625
Touch7: "Touch IC.21" "Touchbar R.6" RA2.3 | length 64.3
  Bottom Layer w0.254: RA2.3@113.75,48.4 117.922,48.4 119.668,50.145 119.668,51.035 119.682,51.05 119.682,51.541 119.826,51.684 119.826,51.731 122.195,54.1 128.981,54.1 134.763,48.318 159.221,48.318 167.75,39.789 167.75,38.625
Touch8: "Touch IC.19" "Touchbar R.5" | length 59.5
  Bottom Layer w0.254: 118.412,51.05 118.412,52.412 120.592,54.592 129.131,54.592 134.635,49.088 159.093,49.088 168.25,39.931 168.25,38.625
Touch9: "Touch IC.18" "Touchbar R.4" | length 61.1
  Bottom Layer w0.254: 117.777,51.05 117.777,52.477 120.346,55.046 129.319,55.046 134.823,49.542 159.281,49.542 168.75,40.073 168.75,38.625
Touch10: "Touch IC.16" "Touchbar R.3" | length 63
  Bottom Layer w0.254: 116.507,51.05 116.522,51.065 116.522,51.947 120.075,55.5 129.507,55.5 135.011,49.996 159.469,49.996 169.25,40.215 169.25,38.625
Touch11: "Touch IC.15" "Touchbar R.2" | length 64.7
  Bottom Layer w0.254: 115.872,51.05 115.887,51.065 115.887,51.955 119.933,56 129.649,56 135.199,50.45 159.657,50.45 169.75,40.357 169.75,38.625
Touch12: "Touch IC.11" "Touchbar L.9" | length 52.7
  Bottom Layer w0.254: 70.25,38.625 70.25,40.357 73.493,43.6 107.458,43.6 108.62,42.438 116.288,42.438 117.777,43.928 117.777,44.95
Touch13: "Touch IC.10" "Touchbar L.8" | length 52.8
  Bottom Layer w0.254: 70.75,38.625 70.75,40.215 73.681,43.146 107.27,43.146 108.432,41.984 116.476,41.984 118.412,43.921 118.412,44.95
Touch14: "Touch IC.8" "Touchbar L.7" | length 53.5
  Bottom Layer w0.254: 71.25,38.625 71.25,40.073 73.869,42.692 107.082,42.692 108.244,41.53 117.384,41.53 119.682,43.829 119.682,44.95
Touch15: "Touch IC.7" "Touchbar L.6" | length 53.6
  Bottom Layer w0.254: 71.75,38.625 71.75,39.931 74.057,42.238 106.894,42.238 108.056,41.076 117.572,41.076 120.317,43.821 120.317,44.95
TouchClock: "Touch IC.13" MCU.23 | length 185.1
  Top Layer w0.254: v1(95.76,49.542) v1(95.76,191.232)
  Bottom Layer w0.254: v1(95.76,49.542) 105.7,49.542 111.896,43.346 115.912,43.346 116.5,43.934 116.5,44.942 116.507,44.95
  Bottom Layer w0.3: v1(95.76,191.232) 96.116,191.232 96.248,191.1 97.132,191.1 97.282,191.25 MCU.23@114.475,191.25
TouchData: "Touch IC.12" MCU.22 | length 187.2
  Top Layer w0.3: v1(95.14,49.06) v1(95.14,190.75)
  Bottom Layer w0.254: v1(95.14,49.06) 95.3,48.9 105.7,48.9 111.708,42.892 116.1,42.892 117.142,43.934 117.142,44.949 ; v1(95.14,190.75) 95.29,190.6 97.307,190.6 97.457,190.75 MCU.22@114.475,190.75
TX1: MCU.42 pad.4 | length 196
  Top Layer w0.25: 115.824,191.456 115.826,191.458 115.826,195.353 116.553,196.08 117.62,196.08 v4(120.74,199.2)
  Top Layer w0.254: 115.824,191.456 115.824,188.116 119.619,184.32 119.619,128.294 119.622,128.291 119.622,127.122 114.976,122.476 114.976,118.284 119.463,113.797 119.463,81.558 110.824,72.919 110.824,70.992 114.239,67.576 114.258,67.576 115.724,66.11 115.724,66.092 117.883,63.932 117.883,60.017 119.546,58.354 119.546,30.146 116,26.6 pad.4@116,21.6
  Bottom Layer w0.25: MCU.42@120.75,197.525 v4@120.75,199.2
TX3: MCU.29 MPX2.8 | length 109.3
  Top Layer w0.254: v1(98.13,130.106) 98.13,131.31 97.908,131.532 97.908,131.957 97.908,183.724 104.034,189.85 107.4,189.85 v4(111.79,194.24)
  Bottom Layer w0.254: MPX2.8@70.75,134.625 70.75,131.75 72.01,130.49 83.15,130.49 83.8,131.14 83.8,132.254 85.209,133.664 95.366,133.664 98.134,130.896 98.134,130.11 v1(98.13,130.106) ; v4(111.79,194.24) MCU.29@114.475,194.24
TX4: MCU.51 UART.2 | length 50.3
  Top Layer w0.254: v1(126.9,194.4) 125.259,192.759 125.259,190.629 126.318,189.57 127.22,189.57 127.986,190.336 139.548,190.336 142.257,193.045 142.257,216.757 UART.2@143.5,218
  Bottom Layer w0.254: MCU.51@125.525,194.75 125.527,194.748 126.51,194.748 126.859,194.4 v1(126.9,194.4)
TX5: MCU.53 MPX1.8 | length 101.3
  Top Layer w0.254: v1@127.27,193.735 127.525,193.48 134.752,193.48 v1(135.1,193.827) ; v1@148.53,193.67 156.807,193.67 166.257,184.219 166.257,175.705 161.224,170.672 161.224,165.253 166.727,159.75 v1(166.727,133.507) 166.766,133.507 v1@166.789,133.53
  Bottom Layer w0.254: MCU.53@125.525,193.75 125.527,193.752 126.652,193.752 126.68,193.78 v1(127.266,193.78) ; v1(135.1,193.827) 135.257,193.67 148.373,193.67 v1(148.53,193.827) ; v1(166.727,133.507) 166.75,133.53 MPX1.8@166.75,134.625
USB+: R5.1 R6.1 USB-C.A6 USB-C.B6 | length 17.1
  Top Layer w0.203: v4@119.25,212.01 119.414,211.846 120.066,211.846 v4(120.25,212.03) 120.25,213.775 USB-C.A6@120.25,214.075 ; v4(119.25,212.03) 119.25,213.775 USB-C.B6@119.25,214.075
  Bottom Layer w0.203: v4@119.25,212.01 v4(119.25,212.03)
  Bottom Layer w0.254: v4(120.25,212.03) 123.04,209.24 R5.1@123.04,208.167 ; R6.1@122.45,201.7 122.45,207.577 R5.1@123.04,208.167 ; R5.1@123.1,208.107 R5.1@123.04,208.167
USB-: R7.1 USB-C.A7 USB-C.B7 | length 15.8
  Top Layer w0.203: v4(119.75,212.3) 119.75,213.775 USB-C.A7@119.75,214.075 ; v4(120.75,212.51) 120.75,213.775 USB-C.B7@120.75,214.075
  Bottom Layer w0.256: v4(120.75,212.51) 120.54,212.51 119.96,212.51 v4(119.75,212.3) 119.77,212.28 119.77,210.255 121.2,208.824 121.2,202.09 R7.1@121.2,201.5
pads on no net: "Touch IC.3"
copper on no net:
  other v2: 172.34,145.3 169,192

## Polygon pours and split planes (outlines as drawn)
GND on Top Layer "Top Layer-GND" (solid, pour order 9): 293 vertices, not listed, extent 19.95,19.05 220.05,220.05
decoration on Top Layer "Top Layer-No Net" (none, shelved, pour order 8): 151 vertices, not listed, extent 113.775,63.441 126.428,78.6
GND on Bottom Layer "Bottom Layer-GND" (solid, pour order 10): 293 vertices, not listed, extent 19.95,19.05 220.05,220.05

## Other copper
Top Layer:
  region: 120.89,172.24

## Silkscreen, mask and mechanical layers (free items; w line width, h text height)
Bottom Overlay:
  region: 129.335,70.461
  lines w0.2: 147.35,216.73 147.35,219.27 ; 134.23,216.73 134.23,219.27 136.77,219.27 139.31,219.27 139.31,216.73 136.77,216.73 134.23,216.73
  lines w0.254: 67.1,129.4 67.1,105.4 76.9,105.4 76.9,129.4 ; 67.1,129.4 67.1,134.6 76.9,134.6 76.9,129.4 ; 67.1,129.4 76.9,129.4 ; 163.1,129.4 172.9,129.4 ; 163.1,129.4 163.1,134.6 172.9,134.6 172.9,129.4 ; 163.1,129.4 163.1,105.4 172.9,105.4 172.9,129.4
  text "BOOT0" at 139.31,215.24 h0.76
  text "OR" at 139.31,207.4 h0.76
Top Solder:
  text "SPECIAL THANKS ALL 203 SUPPORTERS" at 53.4,217.4 h1.14
Bottom Solder:
  region: 122.414,123.545 cw(c122.409,123.549) 122.409,123.543 122.324,123.543 117.437,120.167 117.437,116.391 cw(c117.431,116.391) 117.435,116.386 117.044,115.994 cw(c117.039,115.999) 117.032,115.999 117.032,123.941 cw(c117.039,123.941) 117.039,123.948 122.801,123.948 cw(c122.801,123.941) 122.806,123.936
  region: 122.808,115.999 122.808,123.941 ccw(c122.801,123.941) 122.796,123.946 122.405,123.554 ccw(c122.409,123.549) 122.403,123.549 122.403,119.773 117.516,116.397 117.431,116.397 ccw(c117.431,116.391) 117.426,116.395 117.034,116.004 ccw(c117.039,115.999) 117.032,115.999 ccw(c117.039,115.999) 117.039,115.992 122.801,115.992 ccw(c122.801,115.999)
  region: 115.845,115.996 115.843,116.388 110.466,116.361 114.322,119.941 110.47,123.535 115.94,123.563 115.938,123.954 110.065,123.925 110.065,116.005 110.072,116.005 110.072,115.968
  region: 129.851,116.015 129.665,116.272 129.683,116.285 126.101,121.338 129.559,123.923 124.269,123.923 124.258,123.938 124.237,123.923 123.732,123.923 125.784,121.101 125.788,121.103 127.534,118.64 124.024,116.015
  lines w0.013: 121.605,110.384 121.614,110.384 ; 117.373,116.189 117.46,116.189 117.373,116.189
  text "MXM" at 74.666,117.72 h2
  text "MXM" at 170.666,117.72 h2
  text "#2" at 73.25,115.05 h1.5
  text "#1" at 169,115.05 h1.5
  text "(C)203 ELECTRONICS 2020" at 62.5,21.2 h1.52
  text "MATRIX FOUNDER EDITION 1" at 211.8,21.1 h1.52
Mechanical 1:
  region: 115.146,66.993 cw(c115.152,66.995)
  lines w0.1: 119.939,81.696 120.056,62.4 ; 65,19.1 ccw(c65,19.6) 65.5,19.6 65.5,21.1 cw(c66,21.1) 66,21.6 77.5,21.6 cw(c77.5,21.1) 78,21.1 78,19.6 ccw(c78.5,19.6) 78.5,19.1 ; 65,19.1 78.5,19.1 ; 65,19.1 26.75,19.1 26.652,19.1 26.458,19.138 26.276,19.214 26.113,19.323 25.973,19.463 25.864,19.626 25.788,19.808 25.75,20.002 25.75,23.75 25.74,23.946 25.664,24.331 25.514,24.693 25.296,25.019 25.019,25.296 24.693,25.514 24.331,25.664 23.946,25.74 23.75,25.75 20.902,25.75 20.708,25.788 20.526,25.864 20.363,25.973 20.223,26.113 20.114,26.276 20.038,26.458 20,26.652 20,213.25 20,213.348 20.038,213.542 20.114,213.724 20.223,213.887 20.363,214.027 20.526,214.136 20.708,214.212 20.902,214.25 23.75,214.25 23.946,214.26 24.331,214.336 24.693,214.486 25.019,214.704 25.296,214.981 25.514,215.307 25.664,215.669 25.74,216.054 25.75,216.25 25.75,219.098 25.788,219.292 25.864,219.474 25.973,219.637 26.113,219.777 26.276,219.886 26.458,219.962 26.652,220 115.5,220 115.5,214.65 124.5,214.65 124.5,220 213.348,220 213.542,219.962 213.724,219.886 213.887,219.777 214.027,219.637 214.136,219.474 214.212,219.292 214.25,219.098 214.25,216.25 214.26,216.054 214.336,215.669 214.486,215.307 214.704,214.981 214.981,214.704 215.307,214.486 215.669,214.336 216.054,214.26 216.25,214.25 219.098,214.25 219.292,214.212 219.474,214.136 219.637,214.027 219.777,213.887 219.886,213.724 219.962,213.542 220,213.348 220,26.652 219.962,26.458 219.886,26.276 219.777,26.113 219.637,25.973 219.474,25.864 219.292,25.788 219.098,25.75 219,25.75 216.25,25.75 216.054,25.74 215.669,25.664 215.307,25.514 214.981,25.296 214.704,25.019 214.486,24.693 214.336,24.331 214.26,23.946 214.25,23.75 214.25,20.002 214.212,19.808 214.136,19.626 214.027,19.463 213.887,19.323 213.724,19.214 213.542,19.138 213.348,19.1 174.5,19.1 ; 78.5,19.1 161,19.1 ; 161,19.1 ccw(c161,19.6) 161.5,19.6 161.5,21.1 cw(c162,21.1) 162,21.6 173.5,21.6 cw(c173.5,21.1) 174,21.1 174,19.6 ccw(c174.5,19.6) 174.5,19.1 ; 161,19.1 174.5,19.1
Bottom Keepout:
  lines w0.013: 39.994,233.244 cw(c40.994,233.244) 40.994,234.244
Mechanical 13:
  drawing of 16523 lines, arcs and shapes, not listed
Mechanical 15:
  lines w0.1: 127.99,225.83 128.99,225.83 ; 128.49,225.33 128.49,226.33 ; 126.74,224.18 126.74,227.48 130.24,227.48 130.24,224.18 126.74,224.18